# Altium PCB ADC130MSPS-V1-01.PcbDoc (part 7 of 7) (continued)
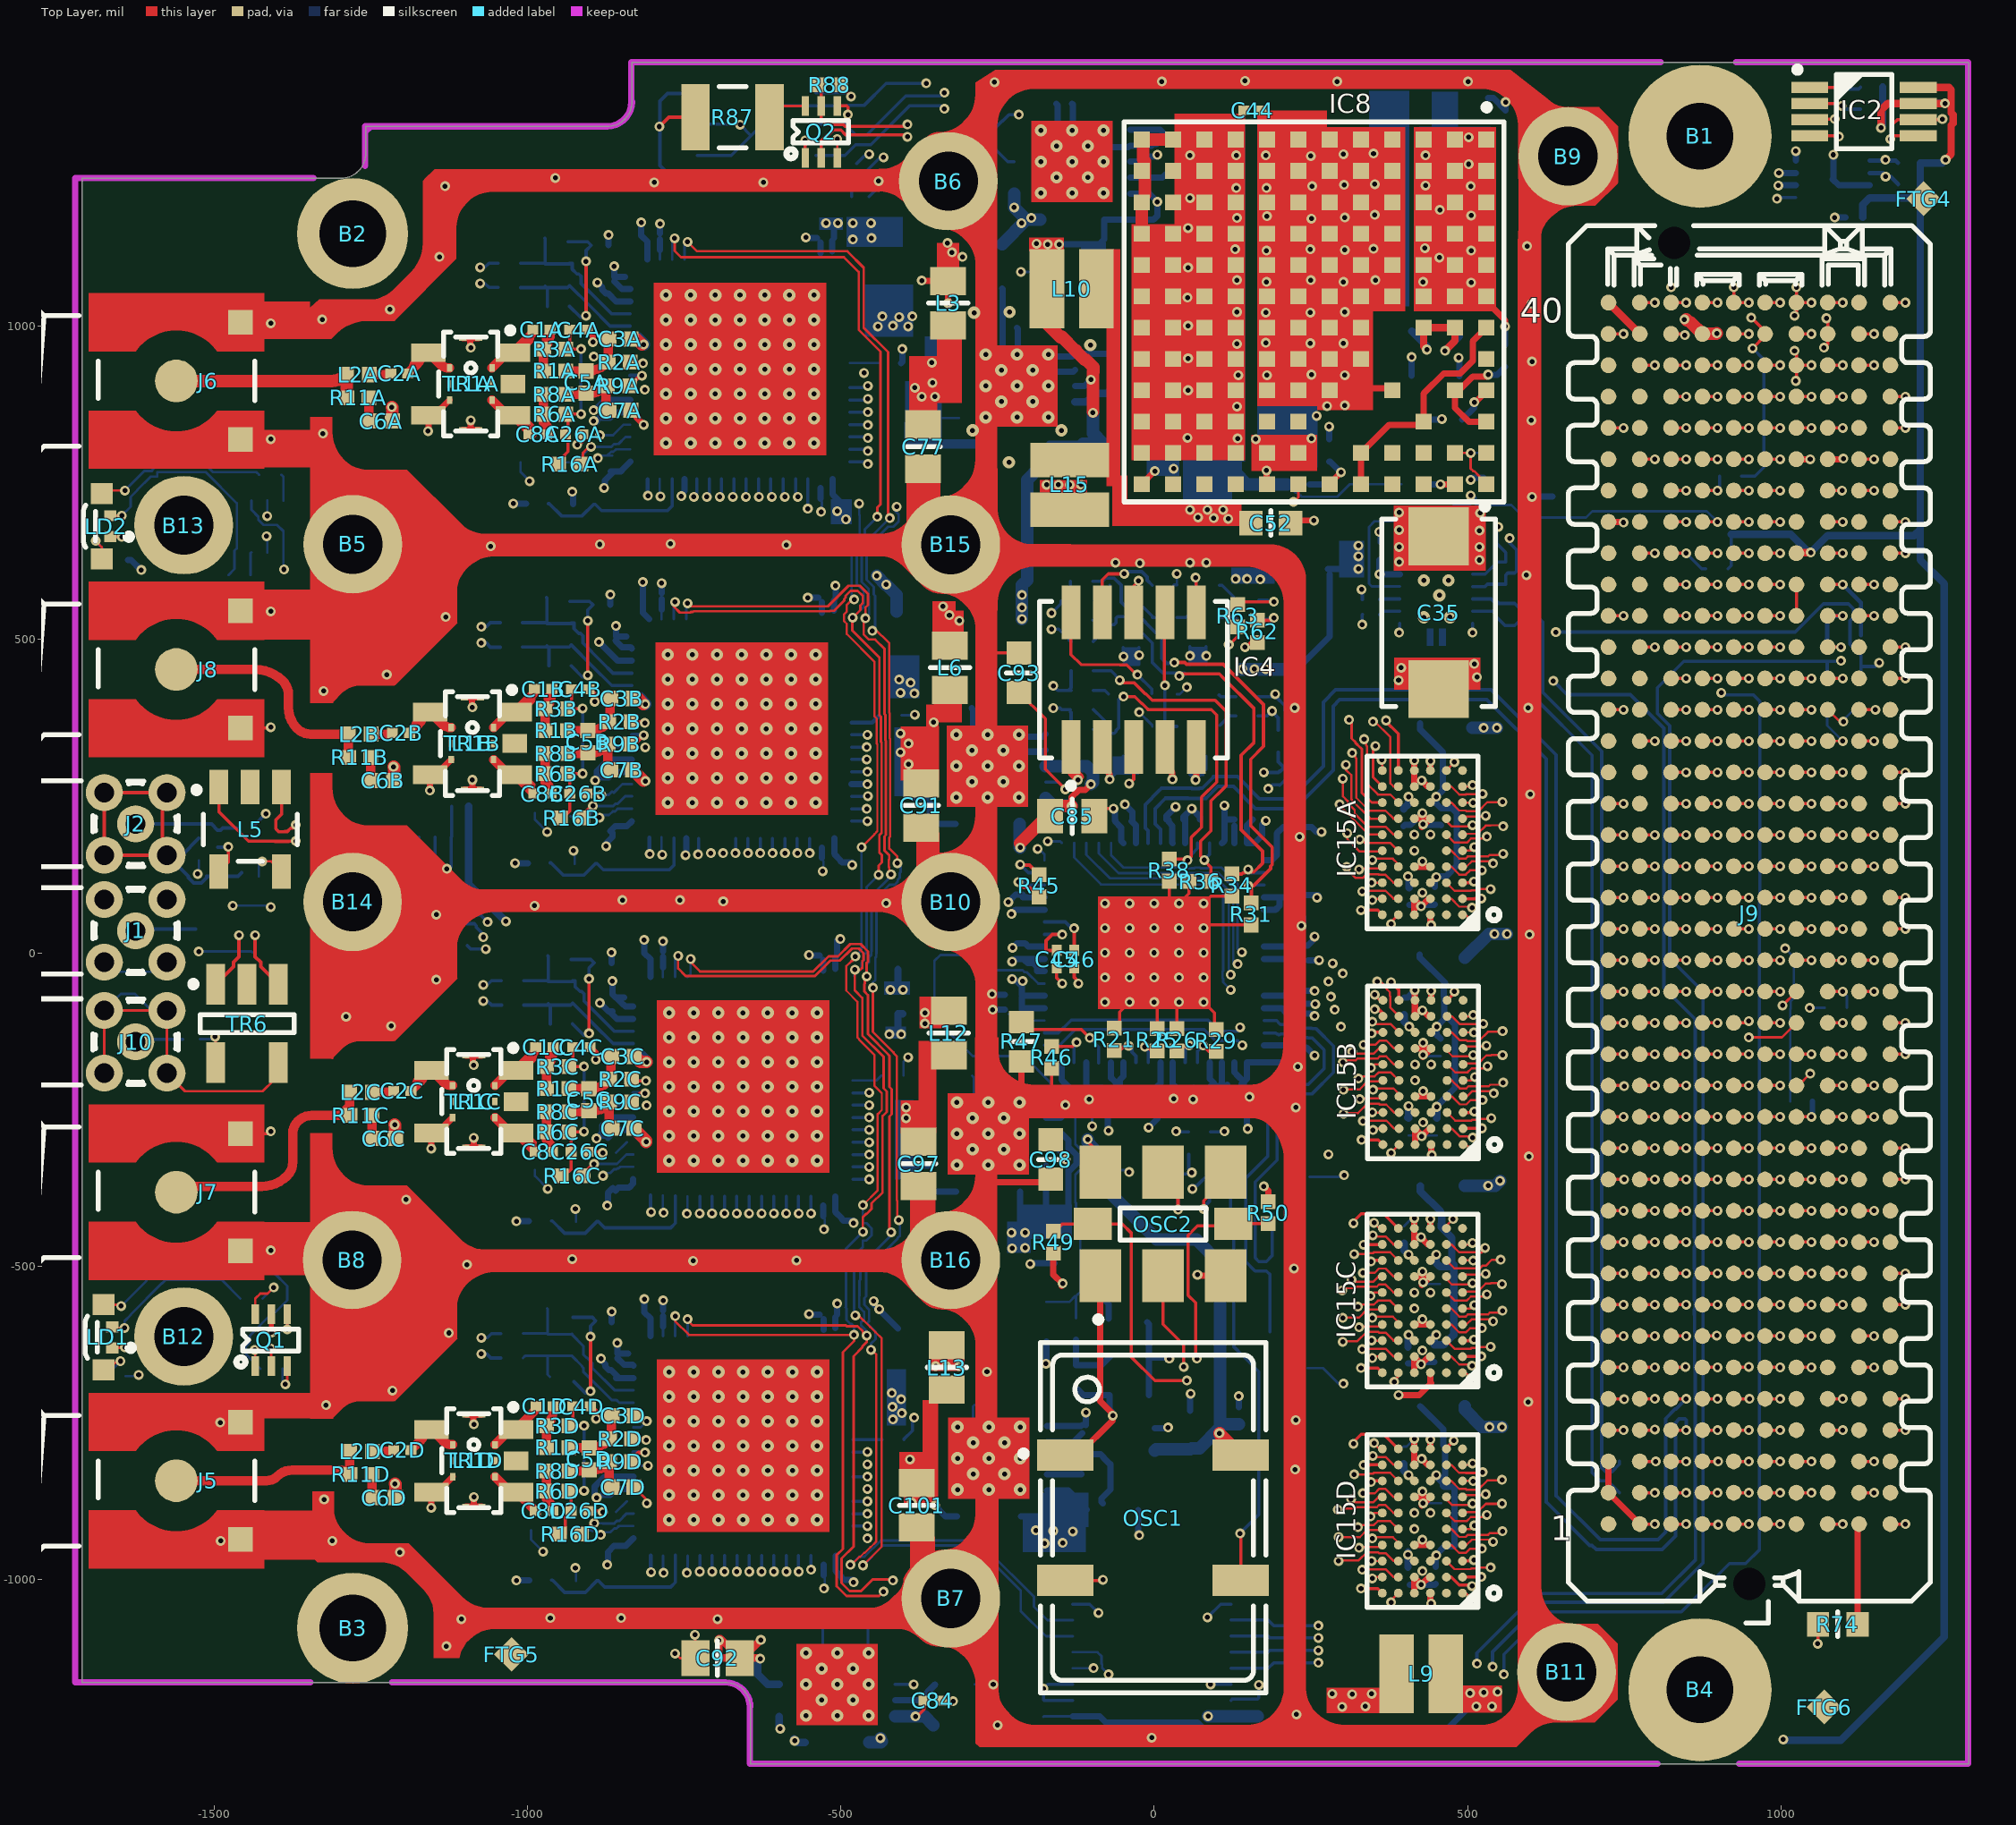
[diagram p0: Top Layer view]
## Nets (pads, with @x,y where several pads share a name; then routed paths per layer and width w, separated by ;. In a path a pad name is that pad's centre, name@x,y a point inside that pad or via, vN(x,y) a via of type N, cw(c..) or ccw(c..) an arc to the next point about the centre after c; other vN are vias at no path point) (continued)
  Bottom Layer w5.33: IC16.2@508.07,584.69 528.21,584.69 531.81,588.28 R20.2@561,588.28 561,602.81 564.43,606.24 575.16,606.24 578.47,609.56 578.47,643.16 567.21,654.42 v3(567.21,661.79)
REFIN_C_N: C49.1 IC3.2 | length 1154.3
  L5 w5.32: v3(137,-119) 143.72,-125.72 154,-125.72 201,-78.72 201,51.44 231.47,81.9 231.47,120.9 259,148.44 259,181.86 253.47,187.4 253.47,202.47 259,208 259,341.28 281.84,364.12 281.84,539.28 300.72,558.16 309.16,558.16 v3(331,580)
  Bottom Layer w5.32: IC3.2@-175.2,-127.95 -152.95,-127.95 -133.84,-108.84 -132.47,-107.47 85.9,-107.47 87.28,-108.84 103.72,-125.28 133.72,-125.28 v3@137,-122 ; v3(331,580) 331,578 332.22,576.78 C49.1@332.22,564
REFIN_C_P: C47.1 IC3.1 | length 1158.4
  L5 w5: v3(140.53,-147.75) 147.4,-140.87 160.28,-140.87 216.16,-84.99 216.16,45.16 241,70 246.63,75.63 246.63,114.63 274.16,142.16 274.16,181.24 274.44,181.52 280.37,187.46 280.37,201.78 274.16,208 274.16,335 297,357.84 297,533 307,543 314,543 332,525 v3(332,524)
  Bottom Layer w5: IC3.1@-175.2,-147.64 -151.2,-147.64 -126.19,-122.63 79.63,-122.63 97.44,-140.44 133.22,-140.44 v3(140.53,-147.75) ; v3(332,524) 332,539.78 C47.1@332.22,540
REFIN_N: C49.2 IC16.8 | length 32.6
  Bottom Layer w5.32: C49.2@359.78,564 360.78,565 IC16.8@391.93,565
REFIN_P: C47.2 IC16.7 | length 34.4
  Bottom Layer w5.32: C47.2@359.78,540 365.09,545.32 IC16.7@391.93,545.32
RF1: C40.2 C42.2 J2.1 | length 167.6
  Bottom Layer w5.72: J2.1@-1625.75,205.81 -1504.84,205.81 C42.2@-1495,195.97 -1490.03,195.97 -1487,199 -1464.59,199 C40.2@-1463.78,198.19
RF2: C48.2 J10.1 | length 76.8
  Bottom Layer w4.73: J10.1@-1625.87,-142.17 -1621.7,-138 C48.2@-1550.78,-138
RF3: D1.3 J1.1 R87.2 U2.1 U2.4 | length 2341.2
  Top Layer w5.72: v1(-790,1319) -775,1334 R87.2@-732.06,1334
  L5 w5.33: J1.1@-1625.87,35 -1551,35 -1519,67 -1519,113.44 -1512.46,119.98 -1512.46,163.27 -1516.19,167 -1519,167 -1519,440 -1421.57,537.43 -1423.54,539.39 -1423.54,550.61 -1415.61,558.54 -1404.39,558.54 -1402.43,556.57 -1365,594 -1365,1026 -1338,1053 -1237,1053 -1187,1103 -1187,1240 -1155,1272 -837,1272 v1(-790,1319)
  Bottom Layer w5.33: J1.1@-1625.87,35 -1622.87,38 D1.3@-1530.28,38
  Bottom Layer w5.72: U2.1@-729.49,1223 -755,1223 -789,1257 -789,1360 -777,1372 -730.49,1372 U2.4@-729.49,1373
RF4: IC4.10 TR3.1 | length 225
  Top Layer w4.73: IC4.10@-133,543.48 -133,476 -117,460 -54.72,460 -54.48,459.76 -43.6,459.76 -30.83,447 v3@-27,447
  Bottom Layer w5: v3(-27,444) -4,421 TR3.1@-4,414
RF5: IC4.9 TR4.1 | length 149
  Top Layer w5: IC4.9@-83,543.48 -83,595 -73,605
  Top Layer w5.32: -73,605 v3(-48,605)
  Bottom Layer w5.32: v3(-48,605) -44.53,608.47 -19.94,608.47 -11.47,600 -11.47,594.92 TR4.1@-3.14,586.59
RF6: IC4.6 TR2.1 | length 139.2
  Top Layer w5.32: v3@66,598 67,597 IC4.6@67,543.48
  Bottom Layer w4.73: TR2.1@36.14,535.41 50.41,535.41 66,551 v3(66,599)
RF7: IC4.7 TR5.1 | length 172.5
  Top Layer w5.32: IC4.7@16,517 16,428 v3(17,427)
  Bottom Layer w5.32: v3(17,427) 17,366 21.59,361.41 TR5.1@36.14,361.41
RF_AUX_N: IC3.46 J4.1 | length 645.3
  Bottom Layer w5: IC3.46@175.2,-108.27 195.21,-108.27 199.9,-112.95 200,-112.95 201.52,-114.48 228.21,-114.48 233.74,-120 250.09,-120 251.46,-121.37 258.59,-121.37 286,-148.79 286,-191.21 252.21,-225 207,-225 196,-236 196,-331.21 161,-366.21 161,-487 167,-493 179,-493 187.96,-484.04 J4.1@187.96,-416
RF_AUX_P: IC3.47 J3.1 | length 663.3
  Bottom Layer w5: IC3.47@175.2,-127.95 193.79,-127.95 195.31,-129.48 196.74,-129.48 198.26,-131 200,-131 201.52,-129.48 222,-129.48 227.52,-135 243.87,-135 245.25,-136.37 252.37,-136.37 271,-155 271,-185 246,-210 200.79,-210 181,-229.79 181,-325 146,-360 146,-493.21 160.79,-508 179,-508 184.96,-513.96 J3.1@184.96,-605
SCL: IC5.6 J9.c30 R42.2 R44.1 | length 870.8
  Top Layer w5: J9.c30@1074.92,538.01 v1(1099,538)
  L5 w7: v1@1165,1237 v1(1167.32,1239.32)
  L3 w7: v1(1099,538) 1099,558 1125,584 1125,646 1132,653 1132,986 1133.63,987.63 1133.63,1221.63 1149,1237 v1@1165,1237 ; v1@1167,1237 v1@1165,1237 ; v1(1167.32,1239.32) v1@1165,1237
  Bottom Layer w7: R42.2@1073,500.72 1074,501.72 1074,527 1085,538 v1(1099,538) ; IC5.6@1142.06,1244.84 v1@1163.16,1244.84 ; v1(1167.32,1239.32) 1174.96,1239.32 R44.1@1187.28,1227
SDA: IC5.5 J9.c31 R39.2 R43.1 | length 886.6
  Top Layer w5: J9.c31@1074.92,588.01 v1(1099,588)
  L3 w7: v1(1099,588) 1099,599 1114,614 1114,650.56 1121,657.56 1121,1248 1139,1266 v1(1167,1266)
  Bottom Layer w7: v1(1099,588) 1128,559 R39.2@1128,506.72 ; IC5.5@1142.06,1264.53 1183.76,1264.53 R43.1@1187.28,1261
SHDN_ON_OFF: IC1A.19 IC1B.19 IC1C.19 IC1D.19 IC14.4 | length 4273.4
  Top Layer w4: v1@-767,552.87 -757.26,543.13 -740.25,543.13 -739.38,544 -735.99,544 -734.87,545.13 -517.49,545.13 -516.62,546 -511.19,546 -494.87,562.31 -494.87,565.06 -492.87,567.06 -492.87,569.75 -484.75,577.87 -473.25,577.87 -465.13,569.75 -465.13,558.25 -469,554.38 -469,547.21 v1(-481.31,534.89) ; v1@-767,557 -765,559 v1(-765,560) ; v1(-765.61,1140.62) -765.61,1120.62 -755.31,1110.31 -495.31,1110.31 -471.72,1086.72 -471.72,994.57 -437,959.85 -437,716 -442,711 v1(-442,696) ; v1(-764.49,-580) -764.49,-588.32 -742.7,-610.11 v1(-479.12,-610.11) -479.12,-620 -497,-637.88 -497,-951.69 -506.87,-961.56 -506.87,-963.56 -507,-963.69 -507,-1009.31 -506.87,-1009.44 -506.87,-1011.44 -491.44,-1026.87 -488.13,-1026.87 -488,-1027 -439,-1027 v1(-432,-1020) ; v1(-760,-5) -760,-25 -748,-37 -541.59,-37 -517.1,-12.51 -501.72,-12.51 -482.33,6.87 -471.67,6.87 -464.13,-0.67 -464.13,-11.33 -465.92,-13.13 -465.92,-23.92 -469,-27 v1(-478,-27) -478,-60 -466,-72 -466,-132 -432,-166 -432,-216.24 -427.06,-221.18 -427.06,-254.27 -433.63,-260.84 -433.63,-382.52 -451.24,-400.13 -451.24,-408.79 -459.36,-416.91 -460.13,-416.91 -465.11,-421.89 v1(-465.11,-445.58) ; v1@-481.95,534.89 -481.95,514.46 -438.67,471.18 -438.67,379.22 -436.25,376.8 -436.25,371.2 -436.25,336.8 -435.25,335.8 -435.25,330.2 -435.25,191.2 -438.67,187.78 -438.67,159.78 -434.92,156.03 -434.92,144.43 -439.92,139.43 v1(-439.92,124.43)
  L5 w4: v1(-432,-1020) -399,-1053 -399,-1054.31 -397.74,-1055.57 -397.74,-1062.63 -393.05,-1067.32 -391.63,-1067.32 -354.94,-1104 -349.31,-1104 -343.31,-1110 -129,-1110 v1(-97,-1142)
  Bottom Layer w4: IC1A.19@-769.46,1106.93 v1@-769.46,1135.54 ; IC1B.19@-766.75,532.93 -766.75,556.75 -767,557 -765,559 v1(-765,560) ; IC1C.19@-764.67,-38.65 -764.67,-9.67 v1(-760,-5) ; IC1D.19@-764.56,-612.07 -764.56,-580.44 -765,-580 v1(-764.49,-580) ; v1(-481.31,534.89) -463.78,552.42 -463.78,577.53 -475,588.75 -475,652.31 -462.07,665.24 -462.07,675.93 v1(-442,696) ; -479.24,-36.68 -467.82,-25.26 -466.92,-25.26 -466.92,-15.54 -463.13,-11.75 -463.13,-3.44 -459.62,0.06 -459.62,5.06 -459.19,5.49 -459.19,105.16 v1(-439.92,124.43) ; v1(-479.12,-610.11) -479.12,-596.24 -482.49,-592.87 -484.75,-592.87 -491.36,-586.26 -491.36,-567.64 -492.69,-566.31 -492.13,-565.75 -492.13,-555.13 -492,-555 -492,-472.47 v1(-465.11,-445.58) ; IC14.4@-130,-1142.23 -97.23,-1142.23 v1(-97,-1142)
TDI: J9.d30 J9.d31 | length 50
  Top Layer w5: J9.d30@1024.92,538.01 J9.d31@1024.92,588.01
VADJ: C39.2 IC14.16 J9.e39 J9.f40 J9.g39 J9.h40 L14A.2 L14B.2 L14C.2 L14D.2 R78.1 | length 766.1
  Top Layer w5: J9.h40@824.92,1038.01 v1(849,1038) ; v1(924.92,1062.48) J9.f40@924.92,1038.01 v1(949,1038) ; v1(953,1014) 974.92,992.08 J9.e39@974.92,988.01 974.92,984.92 v1(955,965)
  Top Layer w20: v1@849,1011 v1@849.92,1010.08 ; 856.46,1006.46 J9.g39@874.92,988.01 897.01,988.01 v1(898,989)
  Bottom Layer w5: R78.1@937.72,761 959,761 973,775 973,947 v1(955,965)
  Bottom Layer w20: v1(86,-1219) 86.22,-1218.78 C39.2@165,-1218.78 ; L14D.2@495.43,-724 495.43,-729.43 523,-757 v1(555,-757) ; L14C.2@495.43,-372 544,-372 v1(552,-364) ; L14B.2@495.43,-8 496,-8 534,30 v1(563,30) ; L14A.2@508,359 v1(547,359)
  other v1: 535,-757 533,-372 543,30 526,359 846,1011 824.92,1062.48
VCMA: C12A.2 IC1A.3 R16A.2 | length 156.9
  Top Layer w4: R16A.2@-915.28,780 -912,783.28 -912,798 -906,804
  Bottom Layer w4: C12A.2@-948.5,783 -924,783 v1(-899,808) -898.81,807.81 -866.52,807.81 -862.55,811.78 -859.03,811.78 -858.45,812.36 -855.13,812.36 -844.02,823.46 IC1A.3@-836.39,823.46
VCMB: C12B.2 IC1B.3 R16B.2 | length 200.8
  Top Layer w4: R16B.2@-912.4,206.43 -909.12,209.72 -909.12,224.43 -903.12,230.43
  Bottom Layer w4: C12B.2@-932,218 -903.06,218 -899.24,221.81 -899.24,221.96 -896.12,225.09 v1(-896.12,234.43) -895.93,234.24 -863.63,234.24 -860.12,237.76 -860.12,238.21 -856.15,238.21 -844.47,249.9 IC1B.3@-833.51,249.9 ; -882.19,233.81 -867.57,233.81 -863.8,233.81 -860.28,237.33 -860.28,237.78 -856.32,237.78 -844.63,249.46 IC1B.3@-833.68,249.46
VCMC: C12C.2 IC1C.3 R16C.2 | length 132.2
  Top Layer w4: R16C.2@-910.32,-365.14 -907.04,-361.86 -907.04,-347.14 -901.04,-341.14
  Bottom Layer w4: C12C.2@-925.5,-347 -903.9,-347 v1(-894.04,-337.14) -857.56,-337.14 -842.53,-322.11 IC1C.3@-831.6,-322.11 ; IC1C.3@-831.6,-321.68 IC1C.3@-831.43,-321.68
VCMD: C12D.2 IC1D.3 R16D.2 | length 203.8
  Top Layer w4: R16D.2@-910.21,-938.57 -906.93,-935.28 -906.93,-920.57 -900.93,-914.57
  Bottom Layer w4: C12D.2@-931.5,-922 -895.87,-922 -897.06,-923.19 -897.06,-923.04 -893.93,-919.91 v1(-893.93,-910.57) -893.74,-910.76 -861.44,-910.76 -857.93,-907.24 -857.93,-906.79 -853.96,-906.79 -842.28,-895.1 IC1D.3@-831.32,-895.1 ; -880,-911.19 -865.38,-911.19 -861.61,-911.19 -858.1,-907.67 -858.1,-907.22 -854.13,-907.22 -842.44,-895.54 IC1D.3@-831.49,-895.54
VCXO_OUT_N: C46.2 R52.1 R73.2 | length 515.1
  Top Layer w5.32: C46.2@-127.81,-23.78 -127.81,-39.15 -121,-45.96 v3(-121,-49)
  L5 w5.32: v3(-121,-49) -126.34,-54.34 -126.34,-71.34 -148.68,-93.69 -148.68,-161.32 -126,-184 -107,-184 -45.5,-245.5 -45.5,-270.7 -44.15,-272.05 -44.15,-283.85 23,-351 v3(60,-351)
  Bottom Layer w5.32: R73.2@38,-353.28 57.72,-353.28 v3(60,-351) 55,-346 R52.1@55,-321.72
VCXO_OUT_P: C45.2 R30.1 R51.2 R72.2 | length 605.1
  Top Layer w5.32: C45.2@-155.81,-23.78 -155.81,-40.19 v3(-147,-49)
  L5 w5.32: v3(-147,-49) -141.66,-54.34 -141.66,-65 -164,-87.34 -164,-167.66 -132.34,-199.32 -113.34,-199.32 -60.81,-251.84 -60.81,-277.05 -59.47,-278.4 -59.47,-289.6 -59.76,-289.9 16.66,-366.32 46.28,-366.32 51.5,-371.53 59.53,-371.53 61,-373 v3(61,-377)
  Bottom Layer w5.32: v3(61,-377) 59,-375 59,-371.53 68.5,-371.53 R72.2@86.75,-353.28 ; R30.1@90,-321.72 90,-350.04 R72.2@86.75,-353.28 ; R51.2@122,-354.28 121,-353.28 R72.2@88,-353.28 R72.2@86.75,-353.28
VIO_B_M2C: J9.j39 J9.k40 | length 70.7
  Top Layer w12: J9.k40@724.92,1038.01 J9.j39@774.92,988.01
VREF_A_M2C: J9.h1 | length 24.1
  Top Layer w5: J9.h1@824.92,-911.99 v1(849,-912)
pads on no net: FTG1.1 FTG2.1 FTG3.1 FTG4.1 FTG5.1 FTG6.1 IC1A.21 IC1A.22 IC1A.23 IC1A.24 IC1A.25 IC1A.26 IC1A.27 IC1A.28 IC1A.29 IC1A.30 IC1A.33 IC1A.34 IC1A.35 IC1A.36 IC1A.37 IC1A.38 IC1A.39 IC1B.21 IC1B.22 IC1B.23 IC1B.24 IC1B.25 IC1B.26 IC1B.27 IC1B.28 IC1B.29 IC1B.30 IC1B.33 IC1B.34 IC1B.35 IC1B.36 IC1B.37 IC1B.38 IC1B.39 IC1C.21 IC1C.22 IC1C.23 IC1C.24 IC1C.25 IC1C.26 IC1C.27 IC1C.28 IC1C.29 IC1C.30 IC1C.33 IC1C.34 IC1C.35 IC1C.36 IC1C.37 IC1C.38 IC1C.39 IC1D.21 IC1D.22 IC1D.23 IC1D.24 IC1D.25 IC1D.26 IC1D.27 IC1D.28 IC1D.29 IC1D.30 IC1D.33 IC1D.34 IC1D.35 IC1D.36 IC1D.37 IC1D.38 IC1D.39 IC3.38 IC3.39 IC3.42 IC3.43 IC6.2 IC6.4 IC6.5 IC6.6 IC6.9 IC6.10 IC6.17 IC6.18 IC6.19 IC7.2 IC7.4 IC7.5 IC7.6 IC7.9 IC7.10 IC7.17 IC7.18 IC7.19 IC8.A8 IC8.A11 IC8.C11 IC8.C12 IC8.D11 IC8.D12 IC8.G10 IC8.H10 IC8.J12 IC8.K12 IC8.L12 IC9.2 IC9.4 IC9.5 IC9.6 IC9.9 IC9.10 IC9.17 IC9.18 IC9.19 IC10.2 IC10.4 IC10.5 IC10.6 IC10.8 IC10.9 IC10.11 IC10.12 IC10.17 IC10.18 IC10.19 IC11.2 IC11.4 IC11.5 IC11.6 IC11.9 IC11.10 IC11.17 IC11.18 IC11.19 IC12.2 IC12.4 IC12.5 IC12.6 IC12.9 IC12.10 IC12.17 IC12.18 IC12.19 IC15A.A2 IC15A.K1 IC15B.A2 IC15B.K1 IC15C.A2 IC15C.K1 IC15D.A2 IC15D.K1 J9.1 J9.2 J9.a2 J9.a3 J9.a6 J9.a7 J9.a10 J9.a11 J9.a14 J9.a15 J9.a18 J9.a19 J9.a22 J9.a23 J9.a26 J9.a27 J9.a30 J9.a31 J9.a34 J9.a35 J9.a38 J9.a39 J9.b4 J9.b5 J9.b8 J9.b9 J9.b12 J9.b13 J9.b16 J9.b17 J9.b20 J9.b21 J9.b24 J9.b25 J9.b28 J9.b29 J9.b32 J9.b33 J9.b36 J9.b37 J9.b40 J9.c2 J9.c3 J9.c6 J9.c7 J9.d1 J9.d4 J9.d5 J9.d29 J9.d33 J9.d34 J9.k1 L1A.2 L1B.2 L1C.2 L1D.2 L5.2 TR1A.2 TR1A.7 TR1B.2 TR1B.7 TR1C.2 TR1C.7 TR1D.2 TR1D.7 TR2.2 TR2.7 TR3.2 TR3.7 TR4.2 TR4.7 TR5.2 TR5.7 TR6.2
copper on no net:
  other v1: 415.2,-920.02 415.2,-894.43 440.8,-894.43 415.21,-568.01 415.21,-542.42 440.8,-542.42 278,-322 416.23,-203.86 416.23,-178.27 441.82,-178.27 415.2,162.98 415.2,188.57 440.8,188.57

## Polygon pours and split planes (outlines as drawn)
GND on L3 "Top Layer-No Net" (hatched 90Degree grid 7 track 8, remove dead copper, pour order 2): 39 vertices, not listed, extent -1679.21,-1076.63 -774.61,1254.49
no net on Bottom Overlay "Top Layer-No Net" (solid): -1703,-1156 -1708,-1151 -1708,1238 -1277.71,1238 -1259.72,1255.98 -1259.72,1319.45 -1066.45,1319.45 -1066,1319 -1064,1317 -1064,626 -1064,-1166 -1066,-1168 -1082,-1152 -1708,-1152
no net on Bottom Overlay "Top Layer-No Net" (solid): 799,-352.5 1031,-352.5 1031,-636.5 799,-636.5
no net on Bottom Overlay "Top Layer-No Net" (solid): 1299.33,1421.81 558.19,1421.81 553,1427 553,-1296 1298.06,-1296 1299.33,-1294.72 1299.33,1421.81
GND on GND1 (split plane): 144 vertices, not listed, extent -1691.4,-1274.8 1280.22,1401.54
GND on GND2 (split plane): 139 vertices, not listed, extent -1691.4,-1274.8 1280.22,1401.54
GND on GND3 (split plane): 139 vertices, not listed, extent -1691.4,-1274.8 1280.22,1401.54
P12V0 on POWER (split plane): 69 vertices, not listed, extent 386.08,590.08 1169.92,1352.92
P4V0 on POWER (split plane): 20 vertices, not listed, extent -117.92,631.08 377.92,1352.92
P3V3_CLK on POWER (split plane): 38 vertices, not listed, extent 188.08,420.77 552.92,712.92
NetC78_2 on POWER (split plane): 47 vertices, not listed, extent -417.23,565.08 179.92,1352.92
P4V0_1 on POWER (split plane): 17 vertices, not listed, extent -248.92,103.1 -84.1,602.92
VADJ on POWER (split plane): 54 vertices, not listed, extent 43.08,-1229.92 969.92,1080.92
P4V0_2 on POWER (split plane): 132 vertices, not listed, extent -282.92,-978.04 467.92,818.92
NetC84_2 on POWER (split plane): 23 vertices, not listed, extent -517.92,-1274.8 454.23,-1140.08
P3V3_CLK on POWER (split plane): 61 vertices, not listed, extent -248.92,-841.92 279.92,555.92
NetC19D_2 on POWER (split plane): -416.17,-568.59 -416.17,-614.31 -463.98,-662.12 -464.86,-663.44 -465.17,-665 -465.17,-1038.31 -473.1,-1046.24 -520.09,-1046.24 -531.02,-1035.31 -531.02,-624 -531.02,-547.69 -511.41,-528.08 -456.69,-528.08
P3V3_ADC2 on POWER (split plane): 56 vertices, not listed, extent -1031.21,109.08 -299.08,673.92
P3V3_ADC1 on POWER (split plane): 53 vertices, not listed, extent -1033.92,683.08 -291.08,1247.92
NetC19C_2 on POWER (split plane): -387.08,-1.47 -387.08,-57.68 -464.09,-134.69 -464.97,-136.01 -465.28,-137.57 -465.28,-137.58 -465.28,-462.5 -531.13,-462.5 -531.13,-50.57 -531.13,25.74 -511.52,45.35 -433.89,45.35
NetC19A_2 on POWER (split plane): -421.08,1173.31 -421.08,1104.69 -468.88,1056.88 -469.77,1055.56 -470.08,1054 -470.08,683.08 -535.92,683.08 -535.92,1095 -535.92,1171.31 -516.31,1190.92 -438.69,1190.92
NetC19B_2 on POWER (split plane): -418.36,599.31 -418.36,530.69 -466.17,482.88 -467.05,481.56 -467.36,480 -467.36,110.5 -533.21,110.5 -533.21,521 -533.21,597.31 -513.59,616.92 -435.97,616.92
P3V3 on POWER (split plane): 242 vertices, not listed, extent -1691.4,-1274.8 1280.22,1401.54
P1V8 on POWER (split plane): 238 vertices, not listed, extent -714.92,-1274.8 467.92,1096.23
P3V3_ADC3 on POWER (split plane): 51 vertices, not listed, extent -1029.13,-462.5 -285.28,102.35
P3V3_ADC4 on POWER (split plane): 49 vertices, not listed, extent -1029.02,-1029.92 -294.08,-471.08

## Keep-outs
Keep-Out Layer:
  lines w10: -1346.77,-1164.8 -1722.32,-1164.8 -1722.32,1236.77 -1341.77,1236.77 ; -1259.72,1255.98 -1259.72,1319.45 -873.9,1319.45 ccw(c-873.9,1358.82) -834.53,1358.82 -834.53,1421.81 808.23,1421.81 ; -1258.74,1311.26 -1250.72,1319.28 -872.91,1319.28 ccw(c-872.91,1358.65) -833.54,1358.65 ; -1216.77,-1164.8 -684.92,-1164.8 cw(c-684.92,-1204.17) -645.55,-1204.17 -645.55,-1294.72 803.23,-1294.72 ; -683.94,-1164.98 cw(c-683.94,-1204.35) -644.57,-1204.35 ; 928.23,1421.81 1299.33,1421.81 1299.33,-1294.72 933.23,-1294.72

## Other copper
Top Layer:
  drawing of 37172 lines, arcs and shapes, not listed
Bottom Layer:
  rectangle net P4V0: 46,681 124,784
  rectangle net GND: -12,761 40,792
  rectangle net P4V0_1: -117,1059.89 -77.1,1134
  rectangle net P1V8: -429,-137 -396,-118
  rectangle net NetC19C_2: -431,-67 -390,-46
  rectangle net NetC97_2: -414,-362 -384,-235
  rectangle net P1V8: -427,-755 -396,-665
  rectangle net P1V8: -423,406 -375,475
  rectangle net P1V8: -462,983 -385,1067
  rectangle net NetC19A_2: -491,1126.76 -401,1175
  rectangle net NetC19A_2: -516,684 -483,724
  rectangle net NetC19A_2: -535,1154 -497,1174
  rectangle net NetC77_2: -398,848 -339,913
  rectangle net NetC77_2: -399,820 -339,848
  rectangle net NetC77_2: -399,805 -263,820
  rectangle net NetC77_2: -366,908 -339,984
  rectangle net P4V0: 46,784 145,1318
  rectangle net GND: 164,775 261,1318
  rectangle net P12V0: 423,1027 537,1319
  rectangle net GND: 343,1032 407,1376
  rectangle net P12V0: 443,1315 485,1375
  rectangle net P4V0_2: -219,-457 -131,-402
  rectangle net P4V0_2: -235,-479 -197,-429
  rectangle net P4V0_2: -210,-957 -109,-898
  rectangle net P4V0_2: -182,-917 -105,-862
  rectangle net NetC91_2: -415,250 -390,360
  rectangle net GND: -49.8,460.43 -24.2,487.57
  rectangle net GND: 57.2,465 82.8,488.57
  rectangle net GND: 57.2,460.43 82.8,488.57
  rectangle net GND: -66,284 -24.2,313.57
  rectangle net GND: 57.2,282 80,313.57
  rectangle net NetC78_2: 123,589 192,615
  rectangle net P3V3_CLK: 295,599 335,658
  rectangle net P3V3_CLK: 130,442 231,463
  region: -1088,909
  region: -1088,909
  region: -1088,909
  region: -1088,909
GND1 (plane layer: these items are gaps in the copper):
  pour cut-out: -1421,-310.19 -1420,-309.19 -1420,-197 -1380.48,-157.48 -1181.1,-157.48 -1181.79,-158.17 -1181.79,-335 -1182,-335 -1183,-336 -1183,-372 -1218.81,-372 -1234,-387.19 -1315,-387.19 -1390.19,-312 -1419.79,-312
  pour cut-out: -1193.46,403.81 -1183.18,414.09 -1183.18,236.18 -1183,236 -1270.79,236 -1322.79,288 -1402,288 -1421,307 -1421,402.81 -1422,403.81
  pour cut-out: -1335.79,442 -1337,516 -1515.21,518 -1512.51,517.3 -1603.96,517.3 -1623.71,497.55 -1623.71,402.51 -1623.25,402.51 -1603.5,382.76 -1513.15,382.76 -1493.32,402.59 -1336,403.81
  pour cut-out: -1316,-388.02 -1316,-309.28 -1516.21,-313 -1513.51,-313.7 -1604.96,-313.7 -1624.71,-333.45 -1624.71,-428.49 -1624.25,-428.49 -1604.5,-448.24 -1514.15,-448.24 -1494.32,-428.41 -1334.01,-428.41
  pour cut-out: -1318.79,-849.02 -1318.79,-770.28 -1519,-774 -1516.3,-774.7 -1607.75,-774.7 -1627.5,-794.45 -1627.5,-889.49 -1627.04,-889.49 -1607.29,-909.24 -1516.94,-909.24 -1497.11,-889.41 -1336.8,-889.41
  pour cut-out: -1323.69,948.72 -1323.69,869.98 -1490.56,869.98 -1514.86,845.69 -1606.31,845.69 -1626.06,865.43 -1626.06,960.47 -1625.6,960.47 -1605.85,980.22 -1515.5,980.22 -1495.67,960.39 -1335.36,960.39
  pour cut-out: -1323.69,948.72 -1225.27,948.72 -1185.9,988.09 -1048.1,988.09 -1028.42,1007.78 -929.99,1007.78 -910.31,988.09 -910.31,830.61 -929.99,810.93 -1264.64,810.93 -1323.69,869.98
  pour cut-out: -1320.98,374.72 -1222.55,374.72 -1183.18,414.09 -1045.39,414.09 -1025.7,433.78 -927.28,433.78 -907.59,414.09 -907.59,256.61 -927.28,236.93 -1261.92,236.93 -1320.98,295.98
  pour cut-out: -1318.79,-770.28 -1220.36,-770.28 -1180.99,-730.91 -1043.2,-730.91 -1023.51,-711.22 -925.09,-711.22 -905.4,-730.91 -905.4,-888.39 -925.09,-908.07 -1259.73,-908.07 -1318.79,-849.02
  pour cut-out: -1318.9,-196.85 -1220.47,-196.85 -1181.1,-157.48 -1043.31,-157.48 -1023.62,-137.8 -925.2,-137.8 -905.51,-157.48 -905.51,-314.96 -925.2,-334.65 -1259.84,-334.65 -1318.9,-275.59
  lines w8: -57,1421.64 -57,716 -48,707 301,707 343,665 343,404 369,378 522,378 556,412 556,693 567,704 567,1041 566,1042
GND3 (plane layer: these items are gaps in the copper):
  lines w8: -58,1412 -58,719 -48,709 300,709 343,666 343,405 371,377 521,377 556,412 556,694 567,705 567,1042
  lines w10: -5,805 0,800
GND2 (plane layer: these items are gaps in the copper):
  lines w8: -57,1407 -57,717 -48,708 300,708 343,665 343,405 370,378 522,378 556,412 556,693 567,704 567,1039
POWER (plane layer: these items are gaps in the copper):
  lines w8: -719,-1035 -719,-1158 -712.02,-1164.97 -683.94,-1164.97 ; -540,682 -540,1095 -540,1173 -518,1195 -437,1195 -417,1175 -417,1103 -466,1054 -466,679 -537,679 -1017.33,679 -1038,699.67 -1038,743 -981,800 -922,800 -910,812 -910,1147 -805,1252 -423,1252 ; -537.28,108 -537.28,521 -537.28,599 -515.28,621 -434.28,621 -414.28,601 -414.28,529 -463.28,480 -463.28,105 -534.28,105 -1014.61,105 -1035.28,125.67 -1035.28,169 -978.28,226 -919.28,226 -907.28,238 -907.28,573 -802.28,678 -420.28,678 -295,552.72 -295,483 -332,446 -350.28,446 -392.28,488 -392.28,505 -414.28,527 ; -535.2,-463.57 -535.2,-50.57 -535.2,27.43 -513.2,49.43 -432.2,49.43 -383,0.22 -383,-59.37 -461.2,-137.57 -461.2,-466.57 -532.2,-466.57 -1012.53,-466.57 -1033.2,-445.9 -1033.2,-402.57 -976.2,-345.57 -917.2,-345.57 -905.2,-333.57 -905.2,1.43 -800.2,106.43 -418.2,106.43 -282.2,-29.57 ; -535.09,-1034 -1018.42,-1034 -1033.09,-1019.33 -1033.09,-976 -976.09,-919 -917.09,-919 -905.09,-907 -905.09,-572 -800.09,-467 -418.09,-467 -290,-595.09 -290,-680 -309,-699 -348.09,-699 -390.09,-657 -390.09,-640 -412.09,-618 ; -522,-1290 -522,-1165 -493,-1136 -184,-1136 37,-1136 39,-1134 ; -417,1104 -417,1101 -395,1079 -395,1062 -353,1020 -298,1020 -286,1032 -286,1115 -287,1116 ; -390.2,-66.57 -390.2,-107.8 -372.43,-125.57 -293.2,-125.57 -281.2,-113.57 -281.2,-30.57 ; -287,823 -119,823 -97,801 -97,717 -49,669 -28,669 80,561 201,561 256,506 381,506 472,415 ; -234,-409 -234,-63 -253,-44 -253,159 -195,217 -195,458 -227,490 -227,702 -287,762 -287,800 -287,1116 ; -234,-400 -234,-427 -241.92,-434.92 -241.92,-485.04 -229,-497.96 -229,-754 -261,-786 -261,-940 -218.88,-982.12 -156.12,-982.12 ; -234,-286 -156,-286 -125,-317 -125,-453 -164,-492 -164,-815 -148,-831 -148,-832 -134,-846 155,-846 ; -226,607 -126,607 -79,560 -4,560 74,482 193,482 207,468 207,306 284,229 284,92 284,-159 198,-245 198,-539 198,-803 155,-846 ; -215.88,-982.12 -156.12,-982.12 ; -122,1354 -122,886 -42,806 -42,764 95,627 187,627 ; 174,-827 155,-846 ; 184,561 184,692 209,717 382,717 ; 382,1357 382,595 391,586 503,586 557,640 557,683 557,933 709,1085 959,1085 974,1070 974,959 966,951 748,951 675,878 675,580 675,-926 446,-1155 ; 459,-1284 458.31,-1283.31 458.31,-1167.31 446,-1155 ; 471,345 411,345 382,316 382,-849 315,-916 -90,-916 -156.12,-982.12 ; 557,644 557,500 472,415 ; 974,1066 1003,1095 1073,1095 1093,1075 1093,1057 1093,951 1075,933 1067,925 1067,774 1086,755 1096,755 1125,755 1152,782 1152,874 1174,896 1174,1138 1111,1201 735,1201 636,1300 636,1325 604,1357 -318,1357 -423,1252 ; -423,1252 -287,1116 ; 446,-1155 284,-1155 224,-1155 145,-1234 65,-1234 39,-1208 39,-1133 112,-1060 226,-1060 446,-1060 472,-1034 472,415 ; -535.09,-1037 -521.78,-1050.32 -471.41,-1050.32 -461.09,-1040 -461.09,-665 -412.09,-616 -412.09,-566.91 -455,-524 -513.09,-524 -535.09,-546 -535.09,-624 -535.09,-1037
  lines w10: -252,98 -151,98 -79,170 -79,560

## Silkscreen, mask and mechanical layers (free items; w line width, h text height)
Bottom Overlay:
  drawing of 37207 lines, arcs and shapes, not listed
  text "http://www.ohwr.org/projects/fmc-adc-130m-16b-4cha" at 1252,620 h60 r90
  text "Open Hardware Repository" at 1182,371 h65 r90
  text "FMC ADC 130M 16B 4CH v1.0" at 712,330 h70 r90
  text "CLKN" at 163,-490 h30
  text "sirius" at 1123,-564.5 h39.37 r90
  text "CLKP" at 161,-565 h30
  text "Laboratorio Nacional" at 1035,-668.5 h39.37 r90
  text "de Luz Sincrotron" at 1073,-672.5 h39.37 r90
Top Solder:
  drawing of 44 lines, arcs and shapes, not listed
Drill Guide:
  text "INPUT1" at -2238,901 h39.37
  text "INPUT2" at -2211,438 h39.37
  text "EXT CLK" at -2185,189 h39.37
  text "TRIG" at -2081,17 h39.37
  text "REF IN" at -2169,-152 h39.37
  text "INPUT3" at -2218,-391 h39.37
  text "INPUT4" at -2241,-829 h39.37
Mechanical 1:
  the board outline again, w25
Mechanical 2:
  circle w3.94: c-1279.31,1147.81 r40.35
  circle w3.94: c-1278.32,-1078.53 r40.35
  lines w3.94: -2341.42,35 -1541.22,35 ; -1849.19,1185.21 -1831.47,1185.21 ; -1849.19,1185.25 -1849.19,-1115.93 -1831.47,-1115.93 ; -1768.48,1185.21 -1711.39,1185.21 ; -1750.76,-989.95 -1278.32,-989.95 cw(c-1278.32,-1078.53) -1278.32,-1167.12 -1711.39,-1167.12 -1711.39,-1115.93 -1768.48,-1115.93 ; -1750.76,-988.97 -1750.76,1058.28 ; -1750.76,1059.23 -1278.32,1059.23 ; -1711.39,1185.25 -1711.39,1236.43 -1278.32,1236.43 cw(c-1278.32,1147.85) -1278.32,1059.26 ; -1317.69,-1078.53 -1238.95,-1078.53 ; -1317.69,1147.81 -1238.95,1147.81 ; -1279.58,-1077.54 -1279.58,1148.46 ; -1279.41,-1078.19 -2305,-1078.19 -2305,1148.19 -1279.41,1148.19 ; -1278.32,-1117.9 -1278.32,-1039.16 ; -1278.32,1108.44 -1278.32,1187.18 ; -1831.47,-1115.94 cw(c-1799.97,-1115.94) -1768.48,-1115.94 ; -1831.47,-1115.93 -1831.47,1185.25 ccw(c-1799.97,1185.25) -1768.48,1185.25 -1768.48,-1115.93
Title Block:
  text ".Print_Scale" at -2497.33,-4030.72 h50
Mechanical 8:
  circle w3.94: c871.18,-1176.79 r114.17
  circle w3.94: c871.18,1303.53 r114.17
  circle w3.94: c871.18,-1176.79 r53.15
  circle w3.94: c949.92,-1007.5 r25.59
  circle w3.94: c871.18,1303.53 r53.15
  circle w3.94: c-1278.42,-1078.36 r53.15
  lines w3.94: -1711.5,-948.44 -491.02,-948.44 -491.02,1020.07 -1711.5,1020.07 ; -1317.8,-1078.36 -1278.43,-1078.36 ; -1278.43,-1117.73 -1278.43,-1078.36 ; -1278.43,-1038.99 -1278.43,-1078.36 ; -1239.06,-1078.36 -1278.43,-1078.36 ; 831.81,-1176.79 871.18,-1176.79 ; 871.18,-1216.16 871.18,-1176.79 ; 871.18,-1137.42 871.18,-1176.79 ; 910.55,-1176.79 871.18,-1176.79 ; 910.55,-1007.49 949.92,-1007.49 ; 949.92,-1046.86 949.92,-1007.49 ; 949.92,-968.12 949.92,-1007.49 ; 989.29,-1007.49 949.92,-1007.49 ; 1134.96,-913.01 1174.33,-913.01 ; 1174.33,-952.38 1174.33,-913.01 ; 1174.33,-873.64 1174.33,-913.01 ; 1213.7,-913.01 1174.33,-913.01
Mechanical 9:
  lines w3.94: -1258.74,1319.28 -1258.74,1275.97 cw(c-1298.11,1275.97) -1298.11,1236.6 -1711.5,1236.6 -1711.5,-1164.97 -1128.82,-1164.97 ; -1002.83,-1164.97 -683.94,-1164.97 cw(c-683.94,-1204.35) -644.57,-1204.35 -644.57,-1294.9 233.39,-1294.9 ; -1002.83,1319.28 -872.91,1319.28 ccw(c-872.91,1358.65) -833.54,1358.65 -833.54,1421.64 233.39,1421.64 ; 359.37,-1294.9 1300.32,-1294.9 1300.32,0.38 ; 359.37,1421.64 1300.32,1421.64 1300.32,126.36
Mechanical 10:
  lines w3.94: -1908.35,-1294.9 -1711.5,-1294.9 -1711.5,-1491.75 ; -1908.35,1236.6 -1711.5,1236.6 -1711.5,1433.45 ; -1809.92,-1164.97 -1711.5,-1164.97 -1711.5,-1263.4 ; -931.97,1421.64 -833.54,1421.64 -833.54,1520.07 ; -742.99,-1294.9 -644.57,-1294.9 -644.57,-1393.32 ; 1497.17,-1294.9 1300.32,-1294.9 ; 1300.32,-1294.9 1300.32,-1491.75 1300.32,-1294.9
Drill Drawing:
  lines w3.94: -1337.48,1275.97 -1298.11,1275.97 ; -1298.11,1236.6 -1298.11,1275.97 ; -1298.11,1315.34 -1298.11,1275.97 ; -1258.74,1275.97 -1298.11,1275.97 ; -912.28,1358.65 -872.91,1358.65 ; -872.91,1319.28 -872.91,1358.65 ; -872.91,1398.02 -872.91,1358.65 ; -833.54,1358.65 -872.91,1358.65 ; -723.31,-1204.35 -683.94,-1204.35 ; -683.94,-1243.72 -683.94,-1204.35 ; -683.94,-1164.97 -683.94,-1204.35 ; -644.57,-1204.35 -683.94,-1204.35
Mechanical 20:
  drawing of 259 lines, arcs and shapes, not listed

## Dimensions
1300.32,1421.64 to -1730.79,1035.81 on Drill Drawing
1300.32,1421.64 to 1300.32,-1294.9 on Drill Drawing
-1298.11,1236.6 to -1711.5,-1164.97 on Drill Drawing
-644.57,-1294.9 to -1711.5,-983.48 on Drill Drawing
-644.57,-1204.35 to -1711.5,-983.48 on Drill Drawing
-683.94,-1204.35 to -552.14,-1072.55 on Drill Drawing
-1258.74,1319.28 to -1711.5,1055.1 on Drill Drawing
-833.54,1358.65 to -1258.74,1275.97 on Drill Drawing
-1711.5,1236.6 to -1258.74,1319.28 on Drill Drawing
-1711.5,1055.1 to -833.54,1421.64 on Drill Drawing

## Text inside footprints (layer, text, board x,y; h text height)
IC8: Mechanical 14 "9" at 560,903 h15.75 r270; Mechanical 14 "1" at 560,1303 h15.75 r270; Mechanical 14 "2" at 560,1253 h15.75 r270; Mechanical 14 "3" at 560,1203 h15.75 r270; Mechanical 14 "4" at 560,1153 h15.75 r270; Mechanical 14 "5" at 560,1103 h15.75 r270; Mechanical 14 "6" at 560,1053 h15.75 r270; Mechanical 14 "7" at 560,1003 h15.75 r270; Mechanical 14 "8" at 560,953 h15.75 r270; Mechanical 14 "10" at 560,853 h15.75 r270; Mechanical 14 "11" at 560,803 h15.75 r270; Mechanical 14 "12" at 560,753 h15.75 r270; Mechanical 14 "F" at 275,1338 h15.75 r270; Mechanical 14 "E" at 325,1338 h15.75 r270; Mechanical 14 "D" at 375,1338 h15.75 r270; Mechanical 14 "G" at 225,1338 h15.75 r270; Mechanical 14 "C" at 425,1338 h15.75 r270; Mechanical 14 "B" at 475,1338 h15.75 r270; Mechanical 14 "A" at 525,1338 h15.75 r270; Mechanical 14 "H" at 175,1338 h15.75 r270; Mechanical 14 "J" at 125,1343 h15.75 r270; Mechanical 14 "K" at 74.02,1340.13 h15.75 r270; Mechanical 14 "L" at 24.02,1340.13 h15.75 r270; Mechanical 14 "M" at -25.98,1340.13 h15.75 r270
J9: Top Overlay "40" at 584.21,1005.81 h39.37; Top Overlay "1" at 632.1,-937.66 h39.37; Mechanical 11 "k" at 717.1,-1117.66 h39.37; Mechanical 11 "j" at 762.1,-1112.66 h39.37; Mechanical 11 "g" at 862.1,-1112.66 h39.37; Mechanical 11 "h" at 809.92,-1116.99 h39.37; Mechanical 11 "f" at 912.1,-1122.66 h39.37; Mechanical 11 "a" at 1164.92,-1116.99 h39.37; Mechanical 11 "b" at 1114.92,-1116.99 h39.37; Mechanical 11 "c" at 1064.92,-1116.99 h39.37; Mechanical 11 "d" at 1010.74,-1117.66 h39.37; Mechanical 11 "e" at 962,-1116.1 h39.37; Mechanical 14 "a" at 1164.92,-1116.99 h39.37; Mechanical 14 "b" at 1114.92,-1116.99 h39.37; Mechanical 14 "c" at 1064.92,-1116.99 h39.37; Mechanical 14 "d" at 1010.74,-1117.66 h39.37; Mechanical 14 "e" at 962,-1116.1 h39.37; Mechanical 14 "f" at 912.1,-1122.66 h39.37; Mechanical 14 "h" at 809.92,-1116.99 h39.37; Mechanical 14 "g" at 862.1,-1112.66 h39.37; Mechanical 14 "j" at 762.1,-1112.66 h39.37; Mechanical 14 "k" at 717.1,-1117.66 h39.37; Mechanical 14 "40" at 669.92,1138.01 h39.37 r270; Mechanical 14 "1" at 632.1,-937.66 h39.37
LD1: Mechanical 8 "C" at -1624.83,-637.62 h19.69 r90
LD2: Mechanical 8 "C" at -1627.83,657.38 h19.69 r90